# KiCad board pcb.kicad_pcb (continued)
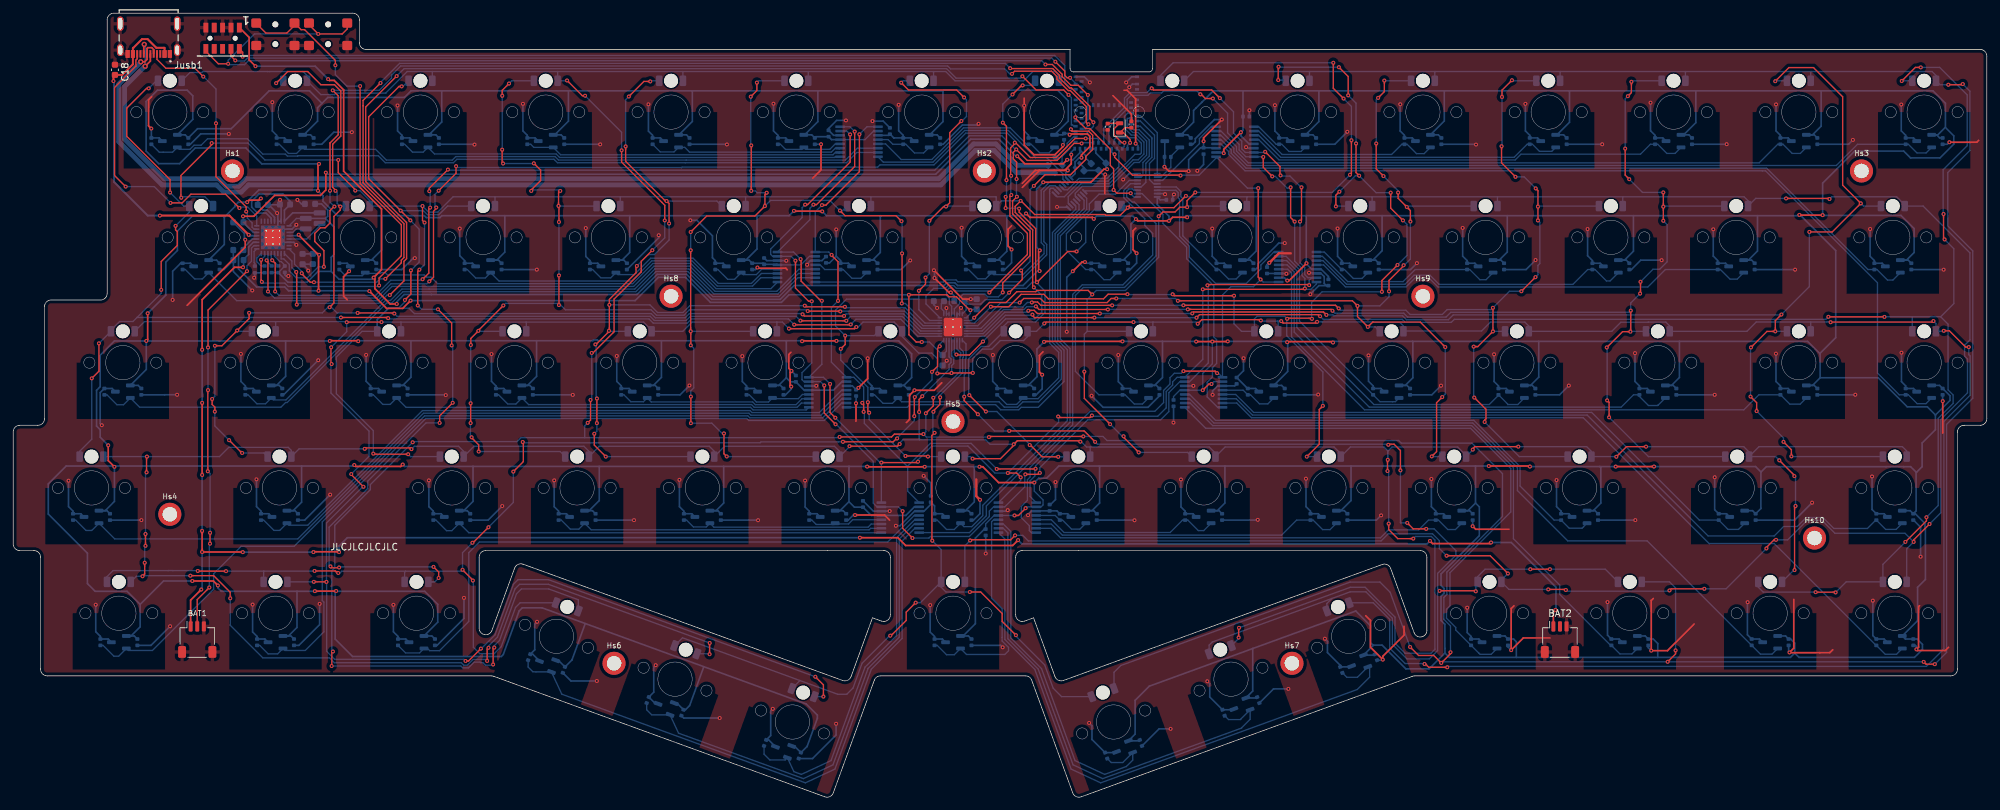
[diagram p0: board, top side]
## Library data of the parts
BAT1 BAT2 = -: Description: PS5 battery pack (red->power, black->ground, white->ntc); ki_fp_filters: TSSOP*4.4x9.7mm*P0.65mm*
C1-C4 C10-C12 C25 C26 = -: Description: Capacitor, X5R, 25 V, ±20%; ki_fp_filters: C_*
C5-C9 C14-C17 C20-C24 C28-C31 = -: Description: Capacitor, X5R, ±10%, at least 2xVdd (>=5V); ki_fp_filters: C_*
C13 C33 = -: Description: Capacitor, X5R, ±10%; ki_fp_filters: C_*
C18 C19 C34-C36 = -: Description: Capacitor, X5R, 10 V, ±10%; ki_fp_filters: C_*
C27 C32 = -: Description: Capacitor, X7R, 16 V, ±10%; ki_fp_filters: C_*
Cvcc1-Cvcc72 Cvout1-Cvout72 = -: Description: Unpolarized capacitor, small symbol; ki_fp_filters: C_*
D1-D72 = -: Datasheet: https://www.we-online.com/components/products/datasheet/156120VS75300.pdf; Description: Light emitting diode, small symbol, filled shape; Sim.Pins: 1=K 2=A; ki_fp_filters: LED* LED_SMD:* LED_THT:*
Hs1-Hs10 = -: Description: Mounting Hole without connection; ki_fp_filters: MountingHole*
JTAG1 = -: Datasheet: http://infocenter.arm.com/help/topic/com.arm.doc.ddi0314h/DDI0314H_coresight_components_trm.pdf; Description: Cortex Debug Connector, standard ARM Cortex-M SWD and JTAG interface; ki_fp_filters: PinHeader?2x05?P1.27mm*
Jusb1 = -: Description: Connector; USB 3.1 Type C; Receptacle; 24-pin; USB 2.0 Only;; MANUFACTURER: XKB Connectivity; ALTIUM_VALUE: U262-161N-4BVC11; MPN: U262-161N-4BVC11; COMPONENT SUBTYPE: USB-C; COMPONENT TYPE: Connector; MOUNTING TYPE: SMD; PACKAGE (CASE): SMD; LCSC: C319148; ki_fp_filters: CON_XKB_U262-161N-4BVC11
L1 = -: Description: Inductor, DCR < 400 mΩ, ±20%; Ex: Murata DFE201210U-2R2M Samsung CIGT201610EH2R2MNE  Samsung CIGT252008LM2R2MNE  Taiyo Yuden MDKK1616T2R2MM; ki_fp_filters: Choke_* *Coil* Inductor_* L_*
L2 = -: Description: Inductor, DCR < 400 mΩ, ±20%; ki_fp_filters: Choke_* *Coil* Inductor_* L_*
LEDDR1 = -: Datasheet: http://www.ti.com/lit/ds/symlink/lp5864.pdf; Description: 72-Channel 12-Bit PWM Ultra-low Quiescent Current I2C RGB LED Driver; ki_fp_filters: VQFN?46?1EP?5x6mm?P0.4mm?EP2.8x3.8mm*
MDBT1 = -: Description: Raytac Corporation / MDBT50 / Bluetooth Low Energy Module based on Noridc nRF52840 / Source: / • Raytac datasheet
MUXA1 MUXA2 = -: Datasheet: https://www.ti.com/lit/ds/symlink/tmux1574.pdf; Description: Low Capacitance, 4-Channel, 2 to 1 Switch, Powered-off Protection with 1.8V logic, TSOT-23-16; ki_fp_filters: *TSOT*23?16*
MUXB1-MUXB8 = -: Datasheet: https://www.ti.com/lit/ds/symlink/tmux1108.pdf; Description: 5V / ±2.5V, Low-Leakage-Current, 8:1 Precision Multiplexer, 2.5 Ohm Ron, 90Mhz, TSSOP-16; ki_fp_filters: TSSOP*4.4x5mm*P0.65mm*
PMIC1 = -: Datasheet: https://docs.nordicsemi.com/bundle/ps_npm1300; Description: PMIC, LED Driver, Battery Charger, QFN-32; ki_fp_filters: QFN*32*1EP*5x5mm*P0.5mm*EP3.6x3.6mm*
R1-R4 = -: Description: Resistor, small symbol; ki_fp_filters: R_*
R5 R6 = -: Description: Resistor, 0.05 W, ±1%, to select 1.8v at buck converter #1 on reset; ki_fp_filters: R_*
S1-S72 = -: Description: Gateron Low profile magentic switch; Descr2: Center hole dia: Gateron 5.2mm, Kailh 5mm
Stb1 Stb2 = -: Descr2: Center hole dia: Gateron 5.2mm, Kailh 5mm
SW1 SW2 = -: Description: 1x DIP Switch, Single Pole Single Throw (SPST) switch, small symbol; ki_fp_filters: SW?DIP?x1*
TMR1-TMR72 = -: Description: TMR sensor by MDT, z-axis sensitivity, SOT23-3; ki_fp_filters: SOT?23*
Y1 = -: Description: Two pin crystal, small symbol; ki_fp_filters: Crystal*

## Footprints (pads in the part's own frame, mm; a bottom-side part is the same pattern mirrored in y, then rotated)
Aliexpress_SW_DIP_TS_1292V_4x6.2x1.8mm
  round 0.9 hole 0.9 unplated: (-1.5,0) (1.5,0)
  rrect 1.4x1.5 smd: 1(-1.7,2.9) 1(-1.7,-2.9) 2(1.7,2.9) 2(1.7,-2.9)
C_0402_1005Metric
  rrect 0.56x0.62 smd: 1(-0.48,0) 2(0.48,0)
C_0603_1608Metric
  rrect 0.9x0.95 smd: 1(-0.775,0) 2(0.775,0)
Crystal_SMD_2012-2Pin_2.0x1.2mm
  rrect 0.6x1.1 smd: 1(-0.7,0) 2(0.7,0)
GCT_USB4215-03-A_REVA
  rect 0.6x1.15 smd: A1(-3.2,4.575) A4(-2.4,4.575) A9(2.4,4.575) A12(3.2,4.575) B1(3.2,4.575) B4(2.4,4.575) B9(-2.4,4.575) B12(-3.2,4.575)
  rect 0.3x1.15 smd: A5(-1.25,4.575) A6(-0.25,4.575) A7(0.25,4.575) A8(1.25,4.575) B5(1.75,4.575) B6(0.75,4.575) B7(-0.75,4.575) B8(-1.75,4.575)
  oval 1x1.8 hole 0.6x1.4: S1(-4.32,4) S1(4.32,4)
  oval 1x2.2 hole 0.6x1.8: S1(-4.32,0) S1(4.32,0)
JST_SH_SM03B-SRSS-TB_1x03-1MP_P1.00mm_Horizontal
  rrect 0.6x1.55 smd: 1(-1,2) 2(0,2) 3(1,2)
  rrect 1.2x1.8 smd: MP(-2.3,-1.875) MP(2.3,-1.875)
L_Samsung_CIGT201610EH2R2MNE
  rrect 0.8x1.8 smd: 1(-0.8,0) 2(0.8,0)
LED_1206_3216Metric_ReverseMount_Hole2.1mm
  round 2.1 hole 2.1 unplated: (0,0)
  rrect 1x1.6 smd: 1(-1.8,0) 2(1.8,0)
LP5864-VQFN-32-1EP_4x4mm_P0.4mm_EP2.8x2.8mm_ThermalVias
  rrect 1.17x1.17 smd: (-0.7,-0.7) (-0.7,0.7) (0.7,-0.7) (0.7,0.7)
  rrect 0.7x0.2 smd: 1(-1.988,1.4) 2(-1.988,1) 3(-1.988,0.6) 4(-1.988,0.2) 5(-1.988,-0.2) 6(-1.988,-0.6) 7(-1.988,-1) 8(-1.988,-1.4) 17(1.988,-1.4) 18(1.988,-1) 19(1.988,-0.6) 20(1.988,-0.2) 21(1.988,0.2) 22(1.988,0.6) 23(1.988,1) 24(1.988,1.4)
  rrect 0.2x0.7 smd: 9(-1.4,-1.988) 10(-1,-1.988) 11(-0.6,-1.988) 12(-0.2,-1.988) 13(0.2,-1.988) 14(0.6,-1.988) 15(1,-1.988) 16(1.4,-1.988) 25(1.4,1.988) 26(1,1.988) 27(0.6,1.988) 28(0.2,1.988) 29(-0.2,1.988) 30(-0.6,1.988) 31(-1,1.988) 32(-1.4,1.988)
  round 0.5 hole 0.2: 33(-1.15,0) 33(0,-1.15) 33(0,0) 33(0,1.15) 33(1.15,0)
  rrect 2.8x2.8 smd far side: 33(0,0)
  rrect 2.8x2.8 smd: 33(0,0)
MountingHole_2.2mm_M2_ISO7380_Pad_TopBottom
  round 2.6 hole 2.2: 1(0,0)
  round 3.5 smd: 1(0,0)
  round 3.5 smd far side: 1(0,0)
QFN-32-1EP_5x5mm_P0.5mm_EP3.6x3.6mm_ThermalVias
  rrect 0.97x0.97 smd: (-1.2,-1.2) (-1.2,0) (-1.2,1.2) (0,-1.2) (0,0) (0,1.2) (1.2,-1.2) (1.2,0) (1.2,1.2)
  rrect 0.8x0.25 smd: 1(-2.45,1.75) 2(-2.45,1.25) 3(-2.45,0.75) 4(-2.45,0.25) 5(-2.45,-0.25) 6(-2.45,-0.75) 7(-2.45,-1.25) 8(-2.45,-1.75) 17(2.45,-1.75) 18(2.45,-1.25) 19(2.45,-0.75) 20(2.45,-0.25) 21(2.45,0.25) 22(2.45,0.75) 23(2.45,1.25) 24(2.45,1.75)
  rrect 0.25x0.8 smd: 9(-1.75,-2.45) 10(-1.25,-2.45) 11(-0.75,-2.45) 12(-0.25,-2.45) 13(0.25,-2.45) 14(0.75,-2.45) 15(1.25,-2.45) 16(1.75,-2.45) 25(1.75,2.45) 26(1.25,2.45) 27(0.75,2.45) 28(0.25,2.45) 29(-0.25,2.45) 30(-0.75,2.45) 31(-1.25,2.45) 32(-1.75,2.45)
  round 0.5 hole 0.2: 33(-1,-1) 33(-1,0) 33(-1,1) 33(0,-1) 33(0,0) 33(0,1) 33(1,-1) 33(1,0) 33(1,1)
  rect 2.5x2.5 smd far side: 33(0,0)
  rect 3.6x3.6 smd: 33(0,0)
R_0402_1005Metric
  rrect 0.54x0.64 smd: 1(-0.51,0) 2(0.51,0)
R_0603_1608Metric
  rrect 0.8x0.95 smd: 1(-0.825,0) 2(0.825,0)
Raytac_MDBT50Q
  rect 0.6x0.4 smd: 1(-4.65,3.75) 2(-4.65,2.65) 3(-4.65,1.85) 4(-4.65,0.25) 5(-3.75,-0.15) 6(-4.65,-0.55) 7(-3.75,-0.95) 8(-4.65,-1.35) 9(-3.75,-1.75) 10(-4.65,-2.15) 11(-3.75,-2.55) 12(-4.65,-2.95) 13(-3.75,-3.35) 14(-4.65,-3.75) 34(4.65,-6.15) 35(4.65,-5.35) 36(3.75,-4.95) 37(4.65,-4.55) 38(3.75,-4.15) 39(4.65,-3.75) 40(3.75,-3.35) 41(4.65,-2.95) 42(3.75,-2.55) 43(3.75,-1.75) 44(4.65,-1.35) 45(3.75,-0.95) 46(4.65,-0.55) 47(3.75,-0.15) 48(4.65,0.25) 49(3.75,0.65) 50(3.75,1.45) 51(4.65,1.85) 52(3.75,2.25) 53(4.65,2.65) 54(3.75,3.05) 55(4.65,3.75)
  rect 0.4x0.6 smd: 15(-4.8,-7.15) 16(-4,-7.15) 17(-3.2,-7.15) 18(-2.4,-7.15) 19(-2,-6.25) 20(-1.6,-7.15) 21(-1.2,-6.25) 22(-0.8,-7.15) 23(-0.4,-6.25) 24(0,-7.15) 25(0.4,-6.25) 26(0.8,-7.15) 27(1.2,-6.25) 28(1.6,-7.15) 29(2,-6.25) 30(2.4,-7.15) 31(3.2,-7.15) 32(4,-7.15) 33(4.8,-7.15) 56(-2,-0.55) 57(-1.2,-0.55) 58(-0.4,-0.55) 59(0.4,-0.55) 60(1.2,-0.55) 61(2,-0.55)
SAMTEC-CLP-105-02-X-D-A
  round 0.74 hole 0.74 unplated: (-1.905,0) (1.905,0)
  rect 0.74x1.47 smd: 1(-2.54,-1.613) 2(-2.54,1.613) 3(-1.27,-1.613) 4(-1.27,1.613) 5(0,-1.613) 6(0,1.613) 7(1.27,-1.613) 8(1.27,1.613) 9(2.54,-1.613) 10(2.54,1.613)
SOT-23-3
  rrect 1.325x0.6 smd: 1(-1.137,0.95) 2(-1.137,-0.95) 3(1.137,0)
Texas_DYY0016A_TSOT-23-16_2x4.2mm_P0.5mm
  rrect 1.05x0.3 smd: 1(-1.5,1.75) 2(-1.5,1.25) 3(-1.5,0.75) 4(-1.5,0.25) 5(-1.5,-0.25) 6(-1.5,-0.75) 7(-1.5,-1.25) 8(-1.5,-1.75) 9(1.5,-1.75) 10(1.5,-1.25) 11(1.5,-0.75) 12(1.5,-0.25) 13(1.5,0.25) 14(1.5,0.75) 15(1.5,1.25) 16(1.5,1.75)
TSSOP-16_4.4x5mm_P0.65mm
  rrect 1.475x0.4 smd: 1(-2.862,2.275) 2(-2.862,1.625) 3(-2.862,0.975) 4(-2.862,0.325) 5(-2.862,-0.325) 6(-2.862,-0.975) 7(-2.862,-1.625) 8(-2.862,-2.275) 9(2.862,-2.275) 10(2.862,-1.625) 11(2.862,-0.975) 12(2.862,-0.325) 13(2.862,0.325) 14(2.862,0.975) 15(2.862,1.625) 16(2.862,2.275)

## Nets
/VBAT: BAT1.1 BAT2.1 C32.1 PMIC1.19
/VBUSOUT: C1.1 C19.1 MDBT1.32 PMIC1.22
/VDD_nRF: C3.1 C13.2 C25.1 JTAG1.1 L1.1 MDBT1.28 MDBT1.30 PMIC1.1 PMIC1.12 R3.1 R4.1
GND: BAT1.3 BAT1.MP BAT2.3 BAT2.MP C1.2 C2.2 C3.2 C4.2 C5.1 C6.1 C7.1 C8.1 C9.1 C10.2 C11.2 C12.2 C13.1 C14.1 C14.2 C15.1 C15.2 C16.1 C16.2 C17.1 C17.2 C18.2 C19.2 C20.1 C21.1 C22.1 C23.1 C24.1 C25.2 C26.2 C27.2 C28.1 C28.2 C29.1 C29.2 C30.1 C30.2 C31.1 C31.2 C32.2 C33.2 C34.1 C35.2 C36.2 Cvcc1.2 Cvcc2.2 Cvcc3.2 Cvcc4.2 Cvcc5.2 Cvcc6.2 Cvcc7.2 Cvcc8.2 Cvcc9.2 Cvcc10.2 Cvcc11.2 Cvcc12.2 Cvcc13.2 Cvcc14.2 Cvcc15.2 Cvcc16.2 Cvcc17.2 Cvcc18.2 Cvcc19.2 Cvcc20.2 Cvcc21.2 Cvcc22.2 Cvcc23.2 Cvcc24.2 Cvcc25.2 Cvcc26.2 Cvcc27.2 Cvcc28.2 Cvcc29.2 Cvcc30.2 Cvcc31.2 Cvcc32.2 Cvcc33.2 Cvcc34.2 Cvcc35.2 Cvcc36.2 Cvcc37.2 Cvcc38.2 Cvcc39.2 Cvcc40.2 Cvcc41.2 Cvcc42.2 Cvcc43.2 Cvcc44.2 Cvcc45.2 Cvcc46.2 Cvcc47.2 Cvcc48.2 Cvcc49.2 Cvcc50.2 Cvcc51.2 Cvcc52.2 Cvcc53.2 Cvcc54.2 Cvcc55.2 Cvcc56.2 Cvcc57.2 Cvcc58.2 Cvcc59.2 Cvcc60.2 Cvcc61.2 Cvcc62.2 Cvcc63.2 Cvcc64.2 Cvcc65.2 Cvcc66.2 Cvcc67.2 Cvcc68.2 Cvcc69.2 Cvcc70.2 Cvcc71.2 Cvcc72.2 Cvout1.2 Cvout2.2 Cvout3.2 Cvout4.2 Cvout5.2 Cvout6.2 Cvout7.2 Cvout8.2 Cvout9.2 Cvout10.2 Cvout11.2 Cvout12.2 Cvout13.2 Cvout14.2 Cvout15.2 Cvout16.2 Cvout17.2 Cvout18.2 Cvout19.2 Cvout20.2 Cvout21.2 Cvout22.2 Cvout23.2 Cvout24.2 Cvout25.2 Cvout26.2 Cvout27.2 Cvout28.2 Cvout29.2 Cvout30.2 Cvout31.2 Cvout32.2 Cvout33.2 Cvout34.2 Cvout35.2 Cvout36.2 Cvout37.2 Cvout38.2 Cvout39.2 Cvout40.2 Cvout41.2 Cvout42.2 Cvout43.2 Cvout44.2 Cvout45.2 Cvout46.2 Cvout47.2 Cvout48.2 Cvout49.2 Cvout50.2 Cvout51.2 Cvout52.2 Cvout53.2 Cvout54.2 Cvout55.2 Cvout56.2 Cvout57.2 Cvout58.2 Cvout59.2 Cvout60.2 Cvout61.2 Cvout62.2 Cvout63.2 Cvout64.2 Cvout65.2 Cvout66.2 Cvout67.2 Cvout68.2 Cvout69.2 Cvout70.2 Cvout71.2 Cvout72.2 JTAG1.3 JTAG1.5 JTAG1.9 Jusb1.A1 Jusb1.A12 Jusb1.B1 Jusb1.B12 Jusb1.S1 LEDDR1.26 LEDDR1.27 LEDDR1.30 LEDDR1.31 LEDDR1.33 MDBT1.1 MDBT1.2 MDBT1.15 MDBT1.33 MDBT1.55 MUXA1.8 MUXA1.15 MUXA2.8 MUXA2.15 MUXB1.3 MUXB1.14 MUXB2.3 MUXB2.14 MUXB3.3 MUXB3.14 MUXB4.3 MUXB4.14 MUXB5.3 MUXB5.14 MUXB6.3 MUXB6.14 MUXB7.3 MUXB7.14 MUXB8.3 MUXB8.14 PMIC1.2 PMIC1.6 PMIC1.30 PMIC1.31 PMIC1.33 R5.1 R6.1 SW1.1 SW2.1 TMR1.3 TMR2.3 TMR3.3 TMR4.3 TMR5.3 TMR6.3 TMR7.3 TMR8.3 TMR9.3 TMR10.3 TMR11.3 TMR12.3 TMR13.3 TMR14.3 TMR15.3 TMR16.3 TMR17.3 TMR18.3 TMR19.3 TMR20.3 TMR21.3 TMR22.3 TMR23.3 TMR24.3 TMR25.3 TMR26.3 TMR27.3 TMR28.3 TMR29.3 TMR30.3 TMR31.3 TMR32.3 TMR33.3 TMR34.3 TMR35.3 TMR36.3 TMR37.3 TMR38.3 TMR39.3 TMR40.3 TMR41.3 TMR42.3 TMR43.3 TMR44.3 TMR45.3 TMR46.3 TMR47.3 TMR48.3 TMR49.3 TMR50.3 TMR51.3 TMR52.3 TMR53.3 TMR54.3 TMR55.3 TMR56.3 TMR57.3 TMR58.3 TMR59.3 TMR60.3 TMR61.3 TMR62.3 TMR63.3 TMR64.3 TMR65.3 TMR66.3 TMR67.3 TMR68.3 TMR69.3 TMR70.3 TMR71.3 TMR72.3
VCCS: C5.2 C6.2 C7.2 C8.2 C9.2 C20.2 C21.2 C22.2 C23.2 C24.2 C27.1 Cvcc1.1 Cvcc2.1 Cvcc3.1 Cvcc4.1 Cvcc5.1 Cvcc6.1 Cvcc7.1 Cvcc8.1 Cvcc9.1 Cvcc10.1 Cvcc11.1 Cvcc12.1 Cvcc13.1 Cvcc14.1 Cvcc15.1 Cvcc16.1 Cvcc17.1 Cvcc18.1 Cvcc19.1 Cvcc20.1 Cvcc21.1 Cvcc22.1 Cvcc23.1 Cvcc24.1 Cvcc25.1 Cvcc26.1 Cvcc27.1 Cvcc28.1 Cvcc29.1 Cvcc30.1 Cvcc31.1 Cvcc32.1 Cvcc33.1 Cvcc34.1 Cvcc35.1 Cvcc36.1 Cvcc37.1 Cvcc38.1 Cvcc39.1 Cvcc40.1 Cvcc41.1 Cvcc42.1 Cvcc43.1 Cvcc44.1 Cvcc45.1 Cvcc46.1 Cvcc47.1 Cvcc48.1 Cvcc49.1 Cvcc50.1 Cvcc51.1 Cvcc52.1 Cvcc53.1 Cvcc54.1 Cvcc55.1 Cvcc56.1 Cvcc57.1 Cvcc58.1 Cvcc59.1 Cvcc60.1 Cvcc61.1 Cvcc62.1 Cvcc63.1 Cvcc64.1 Cvcc65.1 Cvcc66.1 Cvcc67.1 Cvcc68.1 Cvcc69.1 Cvcc70.1 Cvcc71.1 Cvcc72.1 MUXA1.16 MUXA2.16 MUXB1.2 MUXB1.13 MUXB2.2 MUXB2.13 MUXB3.2 MUXB3.13 MUXB4.2 MUXB4.13 MUXB5.2 MUXB5.13 MUXB6.2 MUXB6.13 MUXB7.2 MUXB7.13 MUXB8.2 MUXB8.13 PMIC1.29 TMR1.1 TMR2.1 TMR3.1 TMR4.1 TMR5.1 TMR6.1 TMR7.1 TMR8.1 TMR9.1 TMR10.1 TMR11.1 TMR12.1 TMR13.1 TMR14.1 TMR15.1 TMR16.1 TMR17.1 TMR18.1 TMR19.1 TMR20.1 TMR21.1 TMR22.1 TMR23.1 TMR24.1 TMR25.1 TMR26.1 TMR27.1 TMR28.1 TMR29.1 TMR30.1 TMR31.1 TMR32.1 TMR33.1 TMR34.1 TMR35.1 TMR36.1 TMR37.1 TMR38.1 TMR39.1 TMR40.1 TMR41.1 TMR42.1 TMR43.1 TMR44.1 TMR45.1 TMR46.1 TMR47.1 TMR48.1 TMR49.1 TMR50.1 TMR51.1 TMR52.1 TMR53.1 TMR54.1 TMR55.1 TMR56.1 TMR57.1 TMR58.1 TMR59.1 TMR60.1 TMR61.1 TMR62.1 TMR63.1 TMR64.1 TMR65.1 TMR66.1 TMR67.1 TMR68.1 TMR69.1 TMR70.1 TMR71.1 TMR72.1
/AIN0: MDBT1.11 MUXA1.4
/AIN1: MDBT1.9 MUXA1.7
/AIN2: MDBT1.20 MUXA1.12
/AIN3: MDBT1.21 MUXA1.9
/AIN4: MDBT1.13 MUXA2.7
/AIN5: MDBT1.10 MUXA2.9
/AIN6: MDBT1.14 MUXA2.4
/AIN7: MDBT1.12 MUXA2.12
/ANA_01: Cvout1.1 MUXB1.7 TMR1.2
/ANA_02: Cvout2.1 MUXB1.6 TMR2.2
/ANA_03: Cvout3.1 MUXB1.9 TMR3.2
/ANA_04: Cvout4.1 MUXB1.10 TMR4.2
/ANA_05: Cvout5.1 MUXB1.11 TMR5.2
/ANA_06: Cvout6.1 MUXB1.12 TMR6.2
/ANA_07: Cvout7.1 MUXB1.4 TMR7.2
/ANA_08: Cvout8.1 MUXB1.5 TMR8.2
/ANA_09: Cvout9.1 MUXA2.10 TMR9.2
/ANA_10: Cvout10.1 MUXB5.9 TMR10.2
/ANA_11: Cvout11.1 MUXB5.10 TMR11.2
/ANA_12: Cvout12.1 MUXB5.11 TMR12.2
/ANA_13: Cvout13.1 MUXB5.12 TMR13.2
/ANA_14: Cvout14.1 MUXB5.7 TMR14.2
/ANA_15: Cvout15.1 MUXB5.6 TMR15.2
/ANA_16: Cvout16.1 MUXB2.5 TMR16.2
/ANA_17: Cvout17.1 MUXB2.9 TMR17.2
/ANA_18: Cvout18.1 MUXB2.10 TMR18.2
/ANA_19: Cvout19.1 MUXB2.11 TMR19.2
/ANA_20: Cvout20.1 MUXB2.12 TMR20.2
/ANA_21: Cvout21.1 MUXB2.4 TMR21.2
/ANA_22: Cvout22.1 MUXA1.13 TMR22.2
/ANA_23: Cvout23.1 MUXA2.6 TMR23.2
/ANA_24: Cvout24.1 MUXA2.13 TMR24.2
/ANA_25: Cvout25.1 MUXB6.9 TMR25.2
/ANA_26: Cvout26.1 MUXB6.10 TMR26.2
/ANA_27: Cvout27.1 MUXB6.11 TMR27.2
/ANA_28: Cvout28.1 MUXB6.12 TMR28.2
/ANA_29: Cvout29.1 MUXB5.5 TMR29.2
/ANA_30: Cvout30.1 MUXB2.7 TMR30.2
/ANA_31: Cvout31.1 MUXB2.6 TMR31.2
/ANA_32: Cvout32.1 MUXB3.9 TMR32.2
/ANA_33: Cvout33.1 MUXB3.10 TMR33.2
/ANA_34: Cvout34.1 MUXB3.11 TMR34.2
/ANA_35: Cvout35.1 MUXB3.12 TMR35.2
/ANA_36: Cvout36.1 MUXA1.6 TMR36.2
/ANA_37: Cvout37.1 MUXA1.10 TMR37.2
/ANA_38: Cvout38.1 MUXA2.3 TMR38.2
/ANA_39: Cvout39.1 MUXB7.4 TMR39.2
/ANA_40: Cvout40.1 MUXB6.7 TMR40.2
/ANA_41: Cvout41.1 MUXB6.6 TMR41.2
/ANA_42: Cvout42.1 MUXB6.5 TMR42.2
/ANA_43: Cvout43.1 MUXB6.4 TMR43.2
/ANA_44: Cvout44.1 MUXB5.4 TMR44.2
/ANA_45: Cvout45.1 MUXB3.5 TMR45.2
/ANA_46: Cvout46.1 MUXB3.4 TMR46.2
/ANA_47: Cvout47.1 MUXB4.9 TMR47.2
/ANA_48: Cvout48.1 MUXB4.10 TMR48.2
/ANA_49: Cvout49.1 MUXB4.11 TMR49.2
/ANA_50: Cvout50.1 MUXB4.12 TMR50.2
/ANA_51: Cvout51.1 MUXA1.3 TMR51.2
/ANA_52: Cvout52.1 MUXB8.4 TMR52.2
/ANA_53: Cvout53.1 MUXB8.5 TMR53.2
/ANA_54: Cvout54.1 MUXB8.6 TMR54.2
/ANA_55: Cvout55.1 MUXB8.7 TMR55.2
/ANA_56: Cvout56.1 MUXB7.12 TMR56.2
/ANA_57: Cvout57.1 MUXB7.5 TMR57.2
/ANA_58: Cvout58.1 MUXB7.6 TMR58.2
/ANA_59: Cvout59.1 MUXB3.6 TMR59.2
/ANA_60: Cvout60.1 MUXB3.7 TMR60.2
/ANA_61: Cvout61.1 MUXB4.4 TMR61.2
/ANA_62: Cvout62.1 MUXB4.7 TMR62.2
/ANA_63: Cvout63.1 MUXB4.6 TMR63.2
/ANA_64: Cvout64.1 MUXB4.5 TMR64.2
/ANA_65: Cvout65.1 MUXB8.12 TMR65.2
/ANA_66: Cvout66.1 MUXB8.11 TMR66.2
/ANA_67: Cvout67.1 MUXB8.10 TMR67.2
/ANA_68: Cvout68.1 MUXB8.9 TMR68.2
/ANA_69: Cvout69.1 MUXB7.9 TMR69.2
/ANA_70: Cvout70.1 MUXB7.10 TMR70.2
/ANA_71: Cvout71.1 MUXB7.11 TMR71.2
/ANA_72: Cvout72.1 MUXB7.7 TMR72.2
/CS0: D9.1 D24.1 D38.1 D53.1 LEDDR1.2
/CS1: D10.1 D25.1 D39.1 D54.1 LEDDR1.3
/CS2: D11.1 D26.1 D40.1 D55.1 LEDDR1.4
/CS3: D12.1 D27.1 D41.1 D56.1 LEDDR1.5
/CS4: D13.1 D28.1 D42.1 D57.1 LEDDR1.6
/CS5: D14.1 D29.1 D43.1 D58.1 LEDDR1.7
/CS6: D15.1 D44.1 D71.1 D72.1 LEDDR1.8
/CS7: D67.1 D68.1 D69.1 D70.1 LEDDR1.9
/CS8: D63.1 D64.1 D65.1 D66.1 LEDDR1.10
/CS9: D59.1 D60.1 D61.1 D62.1 LEDDR1.16
/CS10: D1.1 D16.1 D30.1 D45.1 LEDDR1.17
/CS11: D2.1 D17.1 D31.1 D46.1 LEDDR1.18
/CS12: D3.1 D18.1 D32.1 D47.1 LEDDR1.19
/CS13: D4.1 D19.1 D33.1 D48.1 LEDDR1.20
/CS14: D5.1 D20.1 D34.1 D49.1 LEDDR1.21
/CS15: D6.1 D21.1 D35.1 D50.1 LEDDR1.22
/CS16: D7.1 D22.1 D36.1 D51.1 LEDDR1.23
/CS17: D8.1 D23.1 D37.1 D52.1 LEDDR1.24
/GPIO_X: MDBT1.38 PMIC1.10
/INT: MDBT1.36 PMIC1.8
/LED_DR_EN: C33.1 LEDDR1.32 MDBT1.37
/LOADSW_CTRL: MDBT1.39 PMIC1.9
/MUX_B_1: MUXA1.14 MUXB1.8
/MUX_B_2: MUXA1.11 MUXB2.8
/MUX_B_3: MUXA1.5 MUXB3.8
/MUX_B_4: MUXA1.2 MUXB4.8
/MUX_B_5: MUXA2.11 MUXB5.8
/MUX_B_6: MUXA2.14 MUXB6.8
/MUX_B_7: MUXA2.2 MUXB7.8
/MUX_B_8: MUXA2.5 MUXB8.8
/MUXA_SEL: MDBT1.41 MUXA1.1 MUXA2.1
/MUXB_SEL_0: MDBT1.22 MUXB1.1 MUXB2.1 MUXB3.1 MUXB4.1 MUXB5.1 MUXB6.1 MUXB7.1 MUXB8.1
/MUXB_SEL_1: MDBT1.23 MUXB1.16 MUXB2.16 MUXB3.16 MUXB4.16 MUXB5.16 MUXB6.16 MUXB7.16 MUXB8.16
/MUXB_SEL_2: MDBT1.25 MUXB1.15 MUXB2.15 MUXB3.15 MUXB4.15 MUXB5.15 MUXB6.15 MUXB7.15 MUXB8.15
/NRESET: JTAG1.10 MDBT1.40 SW1.2
/SCL: LEDDR1.28 MDBT1.27 PMIC1.14 R3.2
/SDA: LEDDR1.29 MDBT1.29 PMIC1.13 R4.2
/SW0: D1.2 D2.2 D3.2 D4.2 D5.2 D6.2 D7.2 D8.2 D9.2 D10.2 D11.2 D12.2 D13.2 D14.2 D15.2 D62.2 D66.2 D70.2 LEDDR1.11
/SW1: D16.2 D17.2 D18.2 D19.2 D20.2 D21.2 D22.2 D23.2 D24.2 D25.2 D26.2 D27.2 D28.2 D29.2 D61.2 D65.2 D69.2 D72.2 LEDDR1.12
/SW2: D30.2 D31.2 D32.2 D33.2 D34.2 D35.2 D36.2 D37.2 D38.2 D39.2 D40.2 D41.2 D42.2 D43.2 D44.2 D60.2 D64.2 D68.2 LEDDR1.13
/SW3: D45.2 D46.2 D47.2 D48.2 D49.2 D50.2 D51.2 D52.2 D53.2 D54.2 D55.2 D56.2 D57.2 D58.2 D59.2 D63.2 D67.2 D71.2 LEDDR1.14
/SWDCLK: JTAG1.4 MDBT1.53
/SWDIO: JTAG1.2 MDBT1.51
/USB_D+: Jusb1.A6 Jusb1.B6 R1.2
/USB_D-: Jusb1.A7 Jusb1.B7 R2.2
/VOUT2: C26.1 L2.1 PMIC1.28 PMIC1.32
/VSYS: C10.1 C11.1 C12.1 C35.1 C36.1 LEDDR1.1 LEDDR1.15 PMIC1.4 PMIC1.20
Net-(BAT1-NTC): BAT1.2 PMIC1.18
Net-(Jusb1-CC1): Jusb1.A5 PMIC1.23
Net-(Jusb1-CC2): Jusb1.B5 PMIC1.24
Net-(LEDDR1-VCAP): C34.2 LEDDR1.25
Net-(MDBT1-D+): MDBT1.35 R1.1
Net-(MDBT1-D-): MDBT1.34 R2.1
Net-(MDBT1-P0.00/XL1): C2.1 MDBT1.17 Y1.1
Net-(MDBT1-P0.01/XL2): C4.1 MDBT1.18 Y1.2
Net-(PMIC1-SHPHLD): PMIC1.15 SW2.2
Net-(PMIC1-SW1): L1.2 PMIC1.3
Net-(PMIC1-SW2): L2.2 PMIC1.5
Net-(PMIC1-VBUS): C18.1 Jusb1.A4 Jusb1.A9 Jusb1.B4 Jusb1.B9 PMIC1.21
Net-(PMIC1-VSET1): PMIC1.17 R5.2
Net-(PMIC1-VSET2): PMIC1.16 R6.2

Pads without a net: BAT2 2; Hs1 1; Hs2 1; Hs3 1; Hs4 1; Hs5 1; Hs6 1; Hs7 1; Hs8 1; Hs9 1; Hs10 1; JTAG1 6 7 8; Jusb1 A8 B8; MDBT1 3 4 5 6 7 8 16 19 24 26 31 42 43 44 45 46 47 48 49 50 52 54 56 57 58 59 60 61; PMIC1 7 11 25 26 27

## Via types
v1: diameter 0.6, hole 0.3, Top to Bottom, 807 vias
v2: diameter 0.8, hole 0.4, Top to Bottom, 3 vias

## Routing (per net, layer and track width the routed paths; a pad name or vN(x,y) marks a point on that pad's centre or on a via; arc(x,y) is an arc through that point)
/VBAT: length 280.5
  Top w0.25: v1(233.83,28.34) 233.53,28.04 BAT2.1 ; v1(28.65,59.75) v1(28.65,48.81) ; v1(152.37,38.94) 151.55,38.12 135.32,38.12 134.14,39.3 v1(128.38,39.3) ; v1(28.52,31.44) 26.91,29.83 BAT1.1 ; v1(34.85,80.31) 33.56,80.31 28.65,75.4 v1(28.65,67.8) ; v1(214.82,38.81) 215.22,38.41 223.92,38.41 v1(224.08,38.57) ; v1(45.52,37.12) 45.57,37.17 49.36,37.17 v1(49.41,37.12) ; v1(34.82,37.11) 34.8,37.13 v1(28.64,37.13) v1(28.64,40.33)
  Bottom w0.25: v1(28.64,37.13) 28.64,31.56 v1(28.52,31.44) ; v1(128.38,39.3) 50.66,39.3 49.41,38.05 v1(49.41,37.12) ; v1(28.64,40.33) 28.64,48.8 v1(28.65,48.81) ; v1(233.83,28.34) 233.92,28.43 233.92,31.8 227.15,38.57 v1(224.08,38.57) ; v1(214.82,38.81) 214.37,38.36 152.95,38.36 v1(152.37,38.94) ; v1(28.65,59.75) v1(28.65,67.8) ; PMIC1.19 36.41,84.1 35.7,83.39 35.7,82.27 34.97,81.54 34.93,81.54 ; C32.1 34.94,80.4 v1(34.85,80.31) ; v1(45.52,37.12) 45.51,37.11 v1(34.82,37.11)
/VBUSOUT: length 142.9
  Top w0.25: v1(47.4,94.67) 47.4,92.03 46.59,91.22 39.65,91.22 36.48,88.05 v1(34.85,88.05) ; v1(152.24,97.16) 153.39,96.01 159.21,96.01 v1(159.8,96.61)
  Bottom w0.25: v1(152.24,97.16) 152.05,97.16 149.46,99.74 145.2,99.74 139.88,94.43 47.64,94.43 v1(47.4,94.67) ; v1(34.85,88.05) 34.91,87.99 C19.1 34.91,87.09 36.41,85.6 PMIC1.22 ; C1.1 162.65,96.84 162.65,97.21 161.75,98.1 MDBT1.32 161.75,97.68 160.67,96.61 v1(159.8,96.61)
/VDD_nRF: length 231.5
  Top w0.25: v1(47.75,108.85) 47.95,108.65 48.67,108.65 50.1,107.21 50.1,94.89 55.85,89.15 55.85,79.95 v1(54.65,78.75) 54.84,78.56 54.84,77.07 57.16,74.75 v1(58.16,74.75) ; v1(36.74,110.81) 35.77,111.77 35.77,115.17 JTAG1.1 ; v1(155.66,82.87) 155.48,82.7 155.48,79.89 v1(155.63,79.74) ; v1(165.87,95.18) 165.38,95.18 163.4,93.2 v1(156.19,93.2)
  Bottom w0.2: PMIC1.1 42.94,87.72 L1.1 ; R3.1 R4.1 40.2,79.52 C13.2 41.18,80.63 40.63,81.18 40.43,81.18 39.62,81.98 PMIC1.12
  Bottom w0.25: v1(155.63,79.74) 155.31,79.74 153.12,77.55 143.2,77.55 142.78,77.96 141.56,77.96 141.14,77.55 118.4,77.55 116.3,75.44 105.9,75.44 102.11,79.23 97.64,79.23 94.59,76.18 63.4,76.18 59.27,76.18 58.16,75.07 v1(58.16,74.75) ; 47.35,87.72 48.65,86.42 48.65,82.26 48.21,81.82 48.21,79.69 ; 47.35,87.72 L1.1 ; 47.35,87.72 47.69,88.05 47.69,88.98 46.75,89.92 C25.1 ; v1(165.87,95.18) 165.7,95.36 C3.1 164.15,97.64 MDBT1.28 MDBT1.30 ; R4.1 41.66,78.04 44.57,78.04 46.22,79.69 48.21,79.69 ; v1(156.19,93.2) 156.19,93.18 155.18,92.18 155.18,83.34 v1(155.66,82.87) ; 48.21,79.69 49.41,78.49 54.39,78.49 v1(54.65,78.75) ; v1(36.74,110.81) 45.79,110.81 v1(47.75,108.85)
GND: length 1273.6
  Top w0.25: v1(127.79,59.69) 127.79,56.95 ; v1(151.38,83.01) 150.85,83.54 150.85,86.07 151.38,86.61 ; v1(159.9,95) 155.6,95 153.02,92.43 ; 170.21,86.26 169.8,85.85 169.8,82.98 v1(170.34,82.44) ; v1(293.57,99.28) 297.73,99.28 298.01,99.56 ; 269.98,29.95 269.98,22.55 v1(269.33,21.9) 269.37,21.86 275.43,21.86 275.88,22.31 ; v1(35.18,84.48) 35.18,83.36 26.36,74.53 ; v1(112.85,80.28) 112.96,80.17 117.14,80.17 117.37,79.94 ; 121.23,93.83 122.49,95.09 v1(122.49,98.97) ; v1(128.15,62.02) 129.56,63.43 v1(129.56,66.51) ; v1(292.57,60.01) 292.57,55.24 292.56,55.23 292.55,55.23 ; 165.51,91.48 165.51,94.36 165.54,94.39 v1(165.57,94.39) ; 226.79,40.58 221.75,40.58 v1(221.29,41.04) ; 132.88,41.97 132.11,42.74 v1(127.64,42.74) ; v1(160.66,79.71) 162.06,81.11 v1(162.51,81.11) ; 227.56,28.99 227.13,28.56 v1(227.13,22.25) 228.98,24.1 233,24.1 ; v1(159.16,98.86) 159.16,98.6 157.95,97.39 154.77,97.39 153.3,98.86 153.3,105.95 ; 117.93,67.42 117.6,67.09 117.6,64.99 v1(118,64.59) 117.8,64.39 117.8,62.38 v1(117.97,62.21) ; v1(156.02,64.01) 155.6,64.43 155.6,66.94 156.15,67.5 ; 140.79,62.79 139.66,61.66 v1(136.66,61.66) 135.91,60.91 135.91,57.25 135.42,56.76 ; C2.2 169.55,103.55 166.75,106.35 ; 205.08,27.48 205.79,26.76 205.79,22.68 v1(207.67,20.81) 207.67,21.31 210.89,24.53 210.89,25.87 ; v1(178.23,94.9) 175.22,94.9 v1(174.56,95.56) ; v1(20.94,101.35) 20.52,101.76 20.52,105.71 21,106.19 ; v1(180.49,99.42) 180.49,99.95 v1(183.26,102.72) ; v1(139.61,79.86) 143.98,75.49 v1(145.19,75.49) ; 289.04,28.99 288.9,28.84 288.9,22.68 v1(288.57,22.36) 288.75,22.19 292.95,22.19 293.44,22.68 ; 254.87,26.21 250.83,22.17 v1(248.37,22.17) 248.37,29.78 248.68,30.09 ; v1(139.69,78.69) 141.89,76.49 v1(142.17,76.49) ; v1(160.43,97.39) 160.43,96 159.45,95.02 154.98,95.02 153,93.04 ; 168.45,107.16 168.89,107.16 170.19,105.85 v1(170.19,99.07) ; 50.64,75.39 50.09,75.94 50.09,78.88 v1(50.93,79.72)
  Top w0.35: 193.7,82.43 191.9,82.43 v1(190.46,80.99) ; 146.03,48.14 146.03,45.6 v1(146.59,45.04)
  Bottom w0.2: LEDDR1.33 143.1,71.85 LEDDR1.30 LEDDR1.31 143.5,73.94 v1(143.72,74.16) ; LEDDR1.27 LEDDR1.26 v1(141.5,74.13)
  Bottom w0.25: TMR48.3 83.88,42.93 Cvout48.2 82.7,43.33 82.03,44 v1(82.03,48) ; v1(34.53,67.18) 34.53,63 35.2,62.33 Cvout31.2 36.38,61.93 TMR31.3 ; v1(41.72,78.98) 41.37,78.98 41.18,79.17 C13.1 ; Cvcc60.2 43.32,22.97 46.46,26.11 v1(46.46,29.26) ; TMR68.3 202.82,19.7 Cvout68.2 201.21,19.94 199.27,21.88 199.27,23.59 v1(198.89,23.98) ; 124.79,81.99 123.78,80.98 C15.2 ; 124.79,81.99 v1(124.79,86.05) ; 124.79,81.99 125.45,81.33 Cvout21.2 126.63,80.93 TMR21.3 ; Cvcc46.2 44.2,41.97 v1(48.06,45.83) ; Cvcc62.2 84.57,17.57 v1(88.5,17.57) ; v1(112.94,41.95) 112.92,41.97 Cvcc49.2 ; Cvout52.2 159.88,42.93 TMR52.3 ; Cvout52.2 158.26,43.37 C31.2 155.16,43.37 MUXB8.3 154.38,43.32 153.88,42.82 v1(153.88,42.72) ; Cvout52.2 158.69,42.93 ; v1(94.13,41.96) 94.12,41.97 Cvcc48.2 ; Cvcc44.2 292.55,60.03 v1(292.57,60.01) ; v1(39.29,105.35) 39.29,100.99 39.95,100.33 Cvout2.2 41.13,99.93 TMR2.3 ; v1(136.66,61.66) 135.97,60.97 Cvcc36.2 ; Cvcc32.2 65.55,60.97 v1(65.59,60.93) ; v1(178.23,94.9) 178.23,96.63 180.04,98.44 C28.1 ; TMR1.3 22.13,99.93 Cvout1.2 20.95,101.34 v1(20.94,101.35) ; MDBT1.33 160.43,97.78 v1(160.43,97.39) ; C7.1 114.25,81.32 MUXB2.14 117.19,81.32 v1(117.22,81.3) ; v1(181.8,86.19) 181.8,81.98 182.45,81.33 Cvout24.2 183.63,80.93 TMR24.3 ; MUXA2.8 169.17,94.49 v1(168.3,93.62) ; TMR49.3 102.88,42.93 Cvout49.2 101.7,43.33 101.02,44.01 v1(101.02,48.08) ; v1(97.42,19.97) 97.12,19.67 97.12,15.87 Cvout63.2 97.4,14.1 TMR63.3 97.78,14.23 ; Cvcc42.2 v1(257.99,60.97) ; TMR26.3 221.63,80.93 Cvout26.2 220.45,81.33 219.78,82 v1(219.78,86.28) ; v1(177.06,48.14) 177.06,43.97 177.7,43.33 Cvout53.2 178.88,42.93 TMR53.3 ; Cvcc24.2 188.36,79.97 188.76,80.37 188.76,80.85 191.89,83.98 v1(192.8,83.98) ; v1(196.68,76.23) 197.98,77.53 C22.1 199.11,77.53 198.78,77.85 198.78,78.89 198.31,79.37 MUXB6.14 ; v1(40.46,90.54) 40.44,90.52 C26.2 ; TMR46.3 38.76,42.93 Cvout46.2 37.58,43.33 36.89,44.01 v1(36.89,48.15) ; TMR39.3 188.38,61.93 Cvout39.2 187.17,61.93 C30.1 186.55,64.63 v1(186.55,66.52) ; v1(112.85,80.28) 112.54,79.97 Cvcc20.2 ; TMR42.3 247.76,61.93 Cvout42.2 246.57,62.33 245.9,63 v1(245.9,67.29) ; v1(110.55,66.84) 110.55,62.98 111.2,62.33 Cvout35.2 112.38,61.93 TMR35.3 ; C26.2 40.39,89.79 C27.2 38.76,89.79 v1(40.01,88.54) 40.12,88.42 PMIC1.30 ; C26.2 40.62,89.65 PMIC1.31 PMIC1.30 ; v1(230.83,81.41) 229.39,79.97 Cvcc26.2 ; v1(86.82,86.26) 86.82,81.96 87.45,81.33 Cvout19.2 88.63,80.93 TMR19.3 ; v1(292.7,79.95) 292.68,79.97 Cvcc29.2 ; Cvcc9.2 178.86,98.97 179.24,99.35 179.24,99.82 182.14,102.72 v1(183.26,102.72) ; C28.1 182.32,98.44 MUXB5.3 ; C28.1 v1(180.49,99.42) ; C16.2 127.81,59.71 v1(127.79,59.69) ; Cvout7.2 133.56,99.93 133.54,99.91 132.95,100.5 C14.2 132.75,100.32 MUXB1.3 ; Cvout7.2 134.95,100.33 134.26,101.02 v1(134.26,104.95) ; Cvout7.2 136.13,99.93 TMR7.3 ; v1(159.16,98.86) 159.34,99.04 Cvcc8.2 ; 175.81,90.56 C20.1 175.81,91.17 v1(176,91.36) ; v1(146.59,45.04) 146.59,42.95 145.61,41.97 Cvcc51.2 ; TMR13.3 250.13,99.93 Cvout13.2 248.95,100.33 248.26,101.02 v1(248.26,105.28) ; 157.29,44.33 158.04,45.08 v1(158.04,47.73) ; 157.29,44.33 157.29,44.29 ; 157.29,44.33 C31.1 ; TMR33.3 74.38,61.93 Cvout33.2 73.2,62.33 72.52,63.01 v1(72.52,67.15) ; PMIC1.33 40.12,85.6 PMIC1.30 ; PMIC1.33 40.62,86.1 PMIC1.2 42.28,86.1 42.93,86.75 v1(42.93,86.75) ; PMIC1.33 40.12,84.1 PMIC1.6 42.54,84.1 v1(42.93,83.71) ; v1(241.74,29.53) 241.74,24.51 Cvout70.2 243.51,23.93 TMR70.3 ; v1(215.03,48.21) 215.03,44 215.7,43.33 Cvout55.2 216.88,42.93 TMR55.3 ; v1(178.94,62.33) 178.94,62.32 MUXB7.14 ; v1(146.38,102.07) 146.19,101.88 143.92,101.88 141,98.97 Cvcc7.2 ; TMR32.3 55.38,61.93 Cvout32.2 54.2,62.33 53.51,63.02 v1(53.51,67.02) ; v1(221.29,41.04) 221.3,41.05 Cvcc55.2 ; TMR43.3 269.13,61.93 Cvout43.2 267.95,62.33 267.28,63 v1(267.28,67.21) ; v1(207.41,42.69) 206.69,41.97 Cvcc54.2 ; v1(293.57,99.28) 293.26,98.97 Cvcc15.2 ; v1(51.35,100.8) 48.61,100.8 46.78,98.97 Cvcc2.2 ; Cvcc12.2 v1(240.93,98.97) ; 198.2,79.48 v1(196.48,79.48) ; Cvcc16.2 31.96,79.97 C32.2 33.39,79.66 v1(36.25,76.8) ; Cvcc65.2 149.73,22.97 v1(150.03,22.67) ; Cvcc70.2 247.93,22.61 v1(248.37,22.17) ; v1(181.06,17.53) 181.42,17.16 181.42,15.14 Cvout67.2 184.97,13.2 TMR67.3 ; v1(67.71,86.18) 67.71,82.07 68.45,81.33 Cvout18.2 69.63,80.93 TMR18.3 ; v1(160.66,79.71) 159.75,78.8 v1(159.75,70.53) ; C33.2 142.69,75.96 v1(142.17,76.49) ; 248.03,22.97 248.13,22.97 ; v1(69.95,98.92) 69.9,98.97 Cvcc3.2 ; Cvcc45.2 v1(19.44,41.97) ; v1(153.29,104.84) 153.29,100.99 153.95,100.33 Cvout8.2 155.13,99.93 TMR8.3 ; Cvcc25.2 211.87,79.97 v1(212.84,80.94) ; v1(187.44,104.13) 187.43,104.12 C21.1 ; v1(115.18,13.35) 114.86,13.02 114.86,9.3 Cvout64.2 114.56,8.62 TMR64.3 115.58,7.73 ; v1(191.31,104.9) 191.31,100.97 191.95,100.33 Cvout10.2 193.13,99.93 TMR10.3 ; Cvcc5.2 108.19,98.97 v1(108.22,98.94) ; v1(174.56,95.56) 174.57,95.57 Cvout9.2 174.61,97.09 TMR9.3 ; Cvcc10.2 200.39,98.97 v1(202.28,100.86) ; v1(121.76,62.34) 121.75,62.32 MUXB3.14 ; MUXA1.15 159.59,93.94 159.59,94.65 159.9,94.95 v1(159.9,95) ; TMR60.3 38.16,23.93 Cvout60.2 36.98,24.33 36.3,25 v1(36.3,29.16) ; v1(163.13,11.21) 163.57,10.77 163.57,8.7 Cvout66.2 167.17,6.7 TMR66.3 ; v1(120.07,47.97) 120.07,43.96 120.7,43.33 Cvout50.2 121.88,42.93 TMR50.3 ; C28.2 180.49,95.89 v1(179.54,94.94) ; v1(8.39,47.95) 8.39,44.01 9.07,43.33 Cvout45.2 10.26,42.93 TMR45.3 ; v1(262.99,29.52) 262.95,29.48 262.95,24.58 Cvout71.2 264.78,23.93 TMR71.3 ; Cvcc64.2 121.2,5.8 124.77,9.37 v1(124.77,11.08) ; C35.2 145.2,75.48 v1(145.19,75.49) ; v1(167.56,67.01) 167.56,62.97 168.2,62.33 Cvout38.2 169.38,61.93 TMR38.3 ; Cvcc67.2 191.1,16.37 v1(193.35,16.37) ; Cvcc57.2 270.12,41.97 v1(272.76,44.61) ; v1(96.32,105.02) 96.32,100.96 96.95,100.33 Cvout5.2 98.13,99.93 TMR5.3 ; v1(139.61,79.86) 139.69,79.78 v1(139.69,78.69) ; Cvcc50.2 126.61,41.97 127.38,42.74 v1(127.64,42.74) ; TMR6.3 117.13,99.93 Cvout6.2 115.95,100.33 115.28,101 v1(115.28,105.12) ; v1(120.38,80.69) 120.38,80.82 120.88,81.32 MUXB2.3 122.62,81.32 C15.1 ; v1(163.25,108.35) 162.4,109.2 MDBT1.55 ; Cvcc6.2 v1(122.49,98.97) ; TMR57.3 259.78,42.93 Cvout57.2 257.99,43.54 v1(257.99,48.47) ; v1(133.84,41.11) 134.45,41.11 136.67,43.32 MUXB4.3 138.1,43.32 139.14,44.36 C17.2 139.7,44.12 Cvout51.2 140.88,42.93 TMR51.3 ; v1(60.9,81.7) 60.65,81.7 58.92,79.97 Cvcc17.2 ; Cvcc52.2 169.99,41.97 v1(170.02,41.94) ; Cvcc40.2 215.1,60.97 v1(216.49,62.36) 216.48,62.37 ; C30.2 185.21,62.32 MUXB7.3 182.63,62.32 181.86,61.56 v1(181.86,60.97) ; Cvcc28.2 270.16,79.97 v1(270.18,79.95) ; v1(35.18,84.48) 35.05,84.62 35.05,85.46 33.37,87.14 C19.2 ; v1(91.52,66.86) 91.52,63.01 92.2,62.33 Cvout34.2 93.38,61.93 TMR34.3 ; R6.1 38.09,79.47 R5.1 36.64,78.84 v1(36.53,78.73) ; Cvcc43.2 279.3,60.97 v1(279.31,60.98) ; v1(143.8,86.31) 143.8,81.98 144.45,81.33 Cvout22.2 145.63,80.93 TMR22.3 ; v1(286.31,67.36) 286.31,62.97 286.95,62.33 Cvout44.2 288.13,61.93 TMR44.3 ; v1(186.93,98.54) 187.09,98.37 MUXB5.14 ; 33.38,81.54 33.38,83.06 ; v1(210.31,105.04) 210.29,105.02 210.29,100.99 210.95,100.33 Cvout11.2 212.13,99.93 TMR11.3 ; v1(84.85,60.96) 84.84,60.97 Cvcc33.2 ; v1(169.22,107.62) 169.7,108.1 MDBT1.2 ; Cvcc38.2 173.8,60.81 172.07,59.08 165.26,59.08 v1(163.51,60.83) ; TMR16.3 26.88,80.93 Cvout16.2 25.39,80.93 24.18,79.72 v1(24.18,75.36) ; v1(141.55,66.14) 140.92,65.51 C36.2 ; TMR27.3 240.63,80.93 Cvout27.2 239.45,81.33 238.72,82.06 v1(238.72,86.11) ; v1(281.55,86.12) 281.55,81.98 282.2,81.33 Cvout29.2 283.38,80.93 TMR29.3 ; Cvcc58.2 288.13,41.97 289.21,40.89 v1(289.21,36.43) ; C25.2 43.71,89.92 v1(43.09,90.54) ; v1(197.87,61.01) 197.83,60.97 Cvcc39.2 ; v1(46.25,66.22) 41,60.97 Cvcc31.2 ; Cvcc53.2 188.67,41.97 v1(188.71,42.01) ; TMR65.3 140.88,23.93 Cvout65.2 139.7,24.33 139.04,24.99 v1(139.04,29.08) ; v1(174.65,91.39) 174.55,91.49 MUXA2.15 ; v1(32.7,100.54) 28.43,100.54 26.86,98.97 Cvcc1.2 ; TMR40.3 207.38,61.93 Cvout40.2 206.2,62.33 205.5,63.03 v1(205.5,66.95) ; C5.1 162.35,95.42 C1.2 162.4,95 C3.2 165.21,94.39 v1(165.57,94.39) ; Cvcc13.2 259.8,98.97 v1(259.81,98.98) ; v1(128.15,62.02) 127.88,61.75 C16.1 127.23,62.32 MUXB3.3 ; v1(97.88,85.17) 97.88,84.79 93.06,79.97 Cvcc19.2 ; v1(158.27,89.46) 158.31,89.42 159.87,89.42 MUXA1.8 ; 157.25,43.32 157.29,43.37 ; TMR58.3 283.68,42.93 Cvout58.2 281.85,43.58 v1(281.85,48.59) ; Cvcc18.2 79.38,79.97 v1(79.4,79.95) ; TMR15.3 288.13,99.93 Cvout15.2 286.95,100.33 286.28,101 v1(286.28,105) ; TMR30.3 15.01,61.93 Cvout30.2 13.81,61.93 13.19,61.3 13.19,56.61 v1(13.44,56.36) ; Cvcc68.2 207.58,20.72 v1(207.67,20.81) ; v1(193.04,79.32) 192.99,79.37 MUXB6.3 190.12,79.37 C29.2 ; TMR36.3 131.38,61.93 Cvout36.2 130.2,62.33 129.56,62.97 v1(129.56,66.51) ; v1(132.9,43.34) 132.88,43.32 MUXB4.14 130.43,43.32 128.86,44.89 C9.1 ; MDBT1.1 169.6,109.2 v1(168.75,108.35) ; Cvcc37.2 155.11,60.97 156.02,61.88 v1(156.02,64.01) ; v1(278.95,99.63) 278.29,98.97 Cvcc14.2 ; C34.1 139.59,74.63 v1(140.08,74.14) ; v1(175.93,56.76) 175.94,56.77 C23.1 ; TMR4.3 79.13,99.93 Cvout4.2 77.95,100.33 77.29,100.99 v1(77.29,105.1) ; v1(170.34,82.44) 170.34,80.95 169.36,79.97 Cvcc23.2 ; Cvcc22.2 150.36,79.97 151.38,80.99 v1(151.38,83.01) ; Cvcc21.2 134.63,79.97 v1(136.01,81.35) 135.99,81.37 ; v1(57.65,29.12) 57.65,25.03 58.35,24.33 Cvout61.2 59.53,23.93 TMR61.3 ; v1(224.54,67.12) 224.54,62.99 225.2,62.33 Cvout41.2 226.38,61.93 TMR41.3 ; Cvcc66.2 173.74,10.31 v1(175.5,10.31) ; v1(63.03,48) 63.03,44 63.7,43.33 Cvout47.2 64.88,42.93 TMR47.3 ; TMR54.3 197.88,42.93 Cvout54.2 196.7,43.33 196.02,44.01 v1(196.02,48.25) ; C14.1 131.91,102.48 v1(130.29,102.48) ; Cvout17.2 50.63,80.93 TMR17.3 51.11,79.9 v1(50.93,79.72) ; 249.93,81.37 v1(249.95,81.39) 246.78,81.39 245.36,79.97 Cvcc27.2 ; TMR14.3 269.13,99.93 Cvout14.2 267.95,100.33 267.29,100.99 v1(267.29,105.02) ; v1(170.19,99.07) 170.55,98.71 MDBT1.15 ; v1(229.29,105.1) 229.29,100.99 229.95,100.33 Cvout12.2 231.13,99.93 TMR12.3 ; v1(147.46,36.9) 147.46,39.63 C24.1 ; v1(24.85,60.98) 22.95,60.98 22.94,60.97 Cvcc30.2 ; v1(162.51,81.11) 162.69,80.93 Cvout23.2 164.63,80.93 TMR23.3 ; v1(107.13,11.95) 101.67,11.95 Cvcc63.2 ; v1(235.87,62.37) 234.47,60.97 Cvcc41.2 ; Cvcc59.2 20.89,22.97 v1(23.79,25.87) ; v1(269.33,21.9) 269.2,22.03 Cvcc71.2 ; v1(227.13,22.25) 226.65,22.73 Cvcc69.2 ; v1(200.81,86.2) 200.81,81.97 201.45,81.33 Cvout25.2 202.63,80.93 TMR25.3 ; v1(12.52,29.13) 12.52,25.03 13.22,24.33 Cvout59.2 14.41,23.93 TMR59.3 ; v1(257.77,86.07) 257.77,82.01 258.45,81.33 Cvout28.2 259.63,80.93 TMR28.3 ; v1(79.43,26.55) 79.08,26.2 79.08,22.3 Cvout62.2 78.78,21.62 TMR62.3 79.8,20.73 ; v1(138.05,48.68) 139.14,47.59 C17.1 ; TMR3.3 60.13,99.93 Cvout3.2 58.95,100.33 58.28,101 v1(58.28,104.85) ; v1(68.35,30.17) 68.35,27.06 64.26,22.97 Cvcc61.2 ; LEDDR1.33 143.13,71.87 ; Cvcc56.2 v1(245.95,41.97) ; TMR56.3 235.88,42.93 Cvout56.2 234.7,43.33 234.01,44.02 v1(234.01,48.04) ; C11.2 45.42,80.79 C10.2 44.73,79.94 v1(44.73,79.8) ; v1(74.15,44.1) 72.02,41.97 Cvcc47.2 ; v1(126.27,102.59) 124.86,102.59 123.63,101.36 C6.1 123.64,101.08 124.4,100.32 MUXB1.14 ; Cvcc4.2 88.99,98.97 v1(89,98.96) ; TMR37.3 150.38,61.93 Cvout37.2 149.2,62.33 148.52,63.01 148.52,66.98 v1(148.55,67.01) ; MUXB8.14 150.65,43.32 v1(150.8,43.48) ; v1(220.46,28.68) 220.46,24.92 221.05,24.33 Cvout69.2 222.23,23.93 TMR69.3 ; TMR20.3 107.63,80.93 Cvout20.2 106.45,81.33 106.02,81.75 106.02,85.08 103.67,87.44 v1(102.68,87.44) ; TMR72.3 283.68,23.93 Cvout72.2 281.97,24.46 v1(281.97,29.75) ; 117.81,62.3 117.84,62.33 117.85,62.33 v1(117.97,62.21) 117.97,61.83 117.11,60.97 Cvcc35.2 ; v1(118,64.59) 118.67,63.92 C8.1 ; v1(221.8,98.92) 221.75,98.97 Cvcc11.2 ; v1(288.57,22.36) 288.57,22.8 288.41,22.97 Cvcc72.2 ; v1(102.54,62.39) 101.12,60.97 Cvcc34.2
  Bottom w0.35: v1(190.46,80.99) 190.11,80.64 C29.1
